# Altium PCB Monitor_Board.PcbDoc (part 4 of 5)
Units mm, origin at the board's own origin, x right, y up, seen from the top; angles counter-clockwise.
Board outline 99.59 x 64.16 mm, 4 copper layers (Top Layer, GND02, PWR03, Bottom Layer), stack 0.603 mm thick; 84 components, 146 nets, 502 pads, 244 vias.
Unrouted connection lines stored in the file: 39.
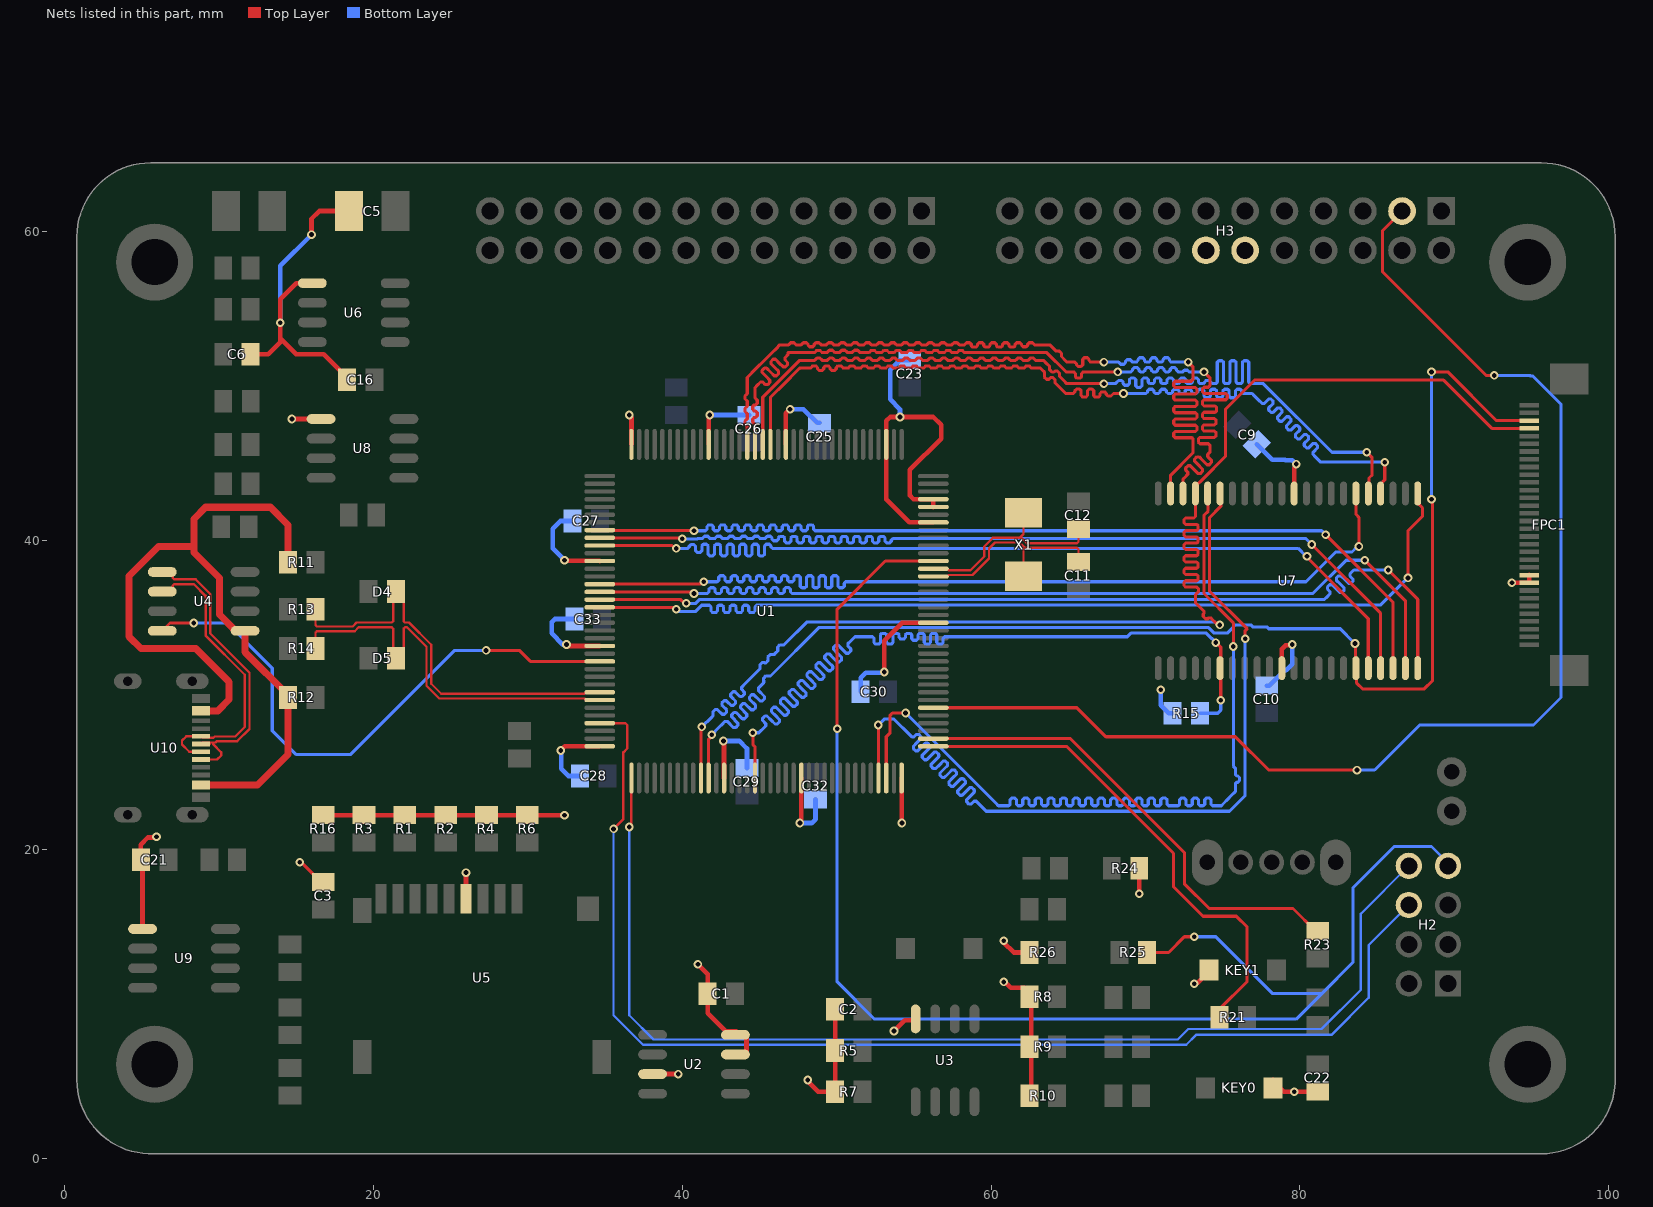
[diagram p6: the nets of this part, all layers, seen from the top]

## Via types
v1: diameter 0.559, hole 0.305, Top Layer to Bottom Layer, tented both sides, 240 vias
v2: diameter 1.143, hole 0.635, Top Layer to Bottom Layer, tented both sides, 2 vias
v3: diameter 1.143, hole 0.61, Top Layer to Bottom Layer, tented both sides, 1 vias
v4: diameter 0.559/0.559 (per signal layer), hole 0.305, Top Layer to Bottom Layer, tented both sides, 1 vias

## Nets (pads, with @x,y where several pads share a name; then routed paths per layer and width w, separated by ;. In a path a pad name is that pad's centre, name@x,y a point inside that pad or via, vN(x,y) a via of type N, cw(c..) or ccw(c..) an arc to the next point about the centre after c; other vN are vias at no path point) (continued)
SRAM_A8: U1.54 U7.26 | length 63.1
  Top Layer w0.203: U1.54@45.716,46.233 45.716,48.641 45.716,48.669 45.716,49.076 45.716,49.279 45.742,49.305 46.03,49.593 46.317,49.88 46.605,50.167 46.892,50.455 47.179,50.742 47.467,51.029 47.61,51.173 47.95,51.173 48.314,51.173 48.356,51.216 48.458,51.317 48.661,51.317 48.763,51.216 48.763,51.173 48.763,51.13 48.864,51.029 49.068,51.029 49.169,51.13 49.169,51.173 49.169,51.216 49.271,51.317 49.474,51.317 49.576,51.216 49.576,51.173 49.576,51.13 49.677,51.029 49.88,51.029 49.982,51.13 49.982,51.173 49.982,51.216 50.084,51.317 50.287,51.317 50.388,51.216 50.431,51.173 50.752,51.173 50.795,51.216 50.896,51.317 51.1,51.317 51.201,51.216 51.244,51.173 51.565,51.173 51.608,51.216 51.709,51.317 51.912,51.317 52.014,51.216 52.057,51.173 52.378,51.173 52.42,51.216 52.522,51.317 52.725,51.317 52.827,51.216 52.87,51.173 53.19,51.173 53.233,51.216 53.335,51.317 53.538,51.317 53.64,51.216 53.682,51.173 54.003,51.173 54.046,51.216 54.148,51.317 54.351,51.317 54.452,51.216 54.495,51.173 54.816,51.173 54.859,51.216 54.96,51.317 55.164,51.317 55.265,51.216 55.308,51.173 55.629,51.173 55.672,51.216 55.773,51.317 55.976,51.317 56.078,51.216 56.121,51.173 56.442,51.173 56.484,51.216 56.586,51.317 56.789,51.317 56.891,51.216 56.934,51.173 57.254,51.173 57.297,51.216 57.399,51.317 57.602,51.317 57.704,51.216 57.746,51.173 58.067,51.173 58.11,51.216 58.212,51.317 58.415,51.317 58.516,51.216 58.559,51.173 58.88,51.173 58.923,51.216 59.024,51.317 59.228,51.317 59.329,51.216 59.372,51.173 59.693,51.173 59.736,51.216 59.837,51.317 60.04,51.317 60.142,51.216 60.185,51.173 60.506,51.173 60.548,51.216 60.65,51.317 60.853,51.317 60.955,51.216 60.998,51.173 61.318,51.173 61.361,51.216 61.463,51.317 61.666,51.317 61.768,51.216 61.81,51.173 62.131,51.173 62.174,51.216 62.276,51.317 62.479,51.317 62.58,51.216 62.623,51.173 62.987,51.173 63.19,51.173 63.253,51.111 63.468,50.895 63.468,50.751 63.451,50.734 63.451,50.59 63.594,50.446 63.738,50.446 63.827,50.536 63.858,50.566 64.001,50.566 64.145,50.422 64.145,50.279 64.145,50.218 64.402,49.961 64.689,49.674 64.833,49.53 65.024,49.53 65.329,49.53 65.43,49.632 65.43,49.708 65.532,49.809 65.735,49.809 65.837,49.708 65.837,49.53 65.837,49.398 65.938,49.296 66.142,49.296 66.243,49.398 66.243,49.53 66.243,49.708 66.345,49.809 66.548,49.809 66.65,49.708 66.65,49.53 66.65,49.394 66.751,49.293 66.954,49.293 67.056,49.394 67.056,49.53 67.158,49.632 67.361,49.632 67.462,49.53 67.462,49.466 67.564,49.364 67.767,49.364 67.869,49.466 67.933,49.53 68.072,49.53 v1(68.58,49.53) ; U7.26@85.228,43.053 85.228,43.671 85.489,43.932 v1(85.489,45.085)
  Bottom Layer w0.203: v1(68.58,49.53) 69.12,49.53 69.323,49.53 69.729,49.53 70.034,49.53 70.136,49.632 70.136,49.705 70.237,49.806 70.44,49.806 70.542,49.705 70.542,49.632 70.644,49.53 70.847,49.53 70.948,49.632 70.948,49.705 71.05,49.806 71.253,49.806 71.355,49.705 71.355,49.632 71.456,49.53 71.66,49.53 71.761,49.632 71.761,49.705 71.863,49.806 72.066,49.806 72.168,49.705 72.168,49.632 72.269,49.53 72.472,49.53 72.574,49.632 72.574,49.705 72.676,49.806 72.879,49.806 72.98,49.705 72.98,49.632 73.082,49.53 73.285,49.53 73.387,49.632 73.387,49.705 73.488,49.806 73.692,49.806 73.793,49.705 73.793,49.53 73.793,49.355 73.895,49.254 74.098,49.254 74.2,49.355 74.2,49.53 74.2,49.705 74.301,49.806 74.504,49.806 74.606,49.705 74.606,49.53 74.606,49.355 74.708,49.254 74.911,49.254 75.012,49.355 75.012,49.53 75.012,49.705 75.114,49.806 75.317,49.806 75.419,49.705 75.419,49.53 75.419,49.355 75.52,49.254 75.724,49.254 75.825,49.355 75.825,49.53 75.825,49.705 75.927,49.806 76.13,49.806 76.232,49.705 76.232,49.632 76.333,49.53 76.638,49.53 76.904,49.53 77.047,49.386 77.335,49.099 77.55,48.883 77.694,48.883 77.98,49.17 78.124,49.17 78.268,49.026 78.268,48.883 77.981,48.596 77.981,48.452 78.125,48.309 78.269,48.309 78.555,48.595 78.699,48.595 78.843,48.452 78.843,48.308 78.556,48.021 78.556,47.878 78.7,47.734 78.843,47.734 79.13,48.02 79.274,48.02 79.417,47.877 79.417,47.733 79.131,47.447 79.131,47.303 79.274,47.159 79.418,47.159 79.705,47.446 79.848,47.446 79.992,47.302 79.992,47.158 79.705,46.872 79.705,46.728 79.849,46.584 79.993,46.584 80.279,46.871 80.423,46.871 80.567,46.727 80.567,46.584 80.28,46.297 80.28,46.153 80.424,46.01 80.568,46.01 80.854,46.296 80.998,46.296 81.141,46.153 81.141,46.009 80.855,45.722 80.855,45.579 80.997,45.437 81.349,45.085 v1(85.489,45.085)
SRAM_A9: U1.55 U7.27 | length 63.2
  Top Layer w0.203: U1.55@45.216,46.233 45.216,49.282 46.735,50.801 46.879,50.945 47.166,51.232 47.454,51.519 47.607,51.673 47.81,51.673 48.217,51.673 48.58,51.673 48.623,51.716 48.725,51.818 48.928,51.818 49.03,51.716 49.073,51.673 49.393,51.673 49.436,51.716 49.538,51.818 49.741,51.818 49.842,51.716 49.885,51.673 50.206,51.673 50.249,51.716 50.35,51.818 50.554,51.818 50.655,51.716 50.698,51.673 51.019,51.673 51.062,51.716 51.163,51.818 51.366,51.818 51.468,51.716 51.511,51.673 51.832,51.673 51.874,51.716 51.976,51.818 52.179,51.818 52.281,51.716 52.324,51.673 52.644,51.673 52.687,51.716 52.789,51.818 52.992,51.818 53.094,51.716 53.137,51.673 53.457,51.673 53.5,51.716 53.602,51.818 53.805,51.818 53.906,51.716 53.949,51.673 54.27,51.673 54.313,51.716 54.414,51.818 54.618,51.818 54.719,51.716 54.762,51.673 55.083,51.673 55.126,51.716 55.227,51.818 55.43,51.818 55.532,51.716 55.575,51.673 55.896,51.673 55.938,51.716 56.04,51.818 56.243,51.818 56.345,51.716 56.388,51.673 56.708,51.673 56.751,51.716 56.853,51.818 57.056,51.818 57.158,51.716 57.201,51.673 57.521,51.673 57.564,51.716 57.666,51.818 57.869,51.818 57.97,51.716 58.013,51.673 58.334,51.673 58.377,51.716 58.478,51.818 58.682,51.818 58.783,51.716 58.826,51.673 59.147,51.673 59.19,51.716 59.291,51.818 59.494,51.818 59.596,51.716 59.639,51.673 59.96,51.673 60.002,51.716 60.104,51.818 60.307,51.818 60.409,51.716 60.452,51.673 60.772,51.673 60.815,51.716 60.917,51.818 61.12,51.818 61.222,51.716 61.265,51.673 61.585,51.673 61.628,51.716 61.73,51.818 61.933,51.818 62.034,51.716 62.077,51.673 62.398,51.673 62.441,51.716 62.542,51.818 62.746,51.818 62.847,51.716 62.89,51.673 63.254,51.673 63.397,51.673 63.541,51.529 63.795,51.275 63.795,51.209 63.795,51.065 63.939,50.922 64.082,50.922 64.115,50.955 64.146,50.985 64.29,50.985 64.433,50.841 64.433,50.698 64.433,50.637 64.69,50.38 64.905,50.165 65.108,50.165 65.515,50.165 65.921,50.165 66.167,50.165 v1(67.31,50.165) ; v1(84.328,45.72) 84.673,45.375 84.673,44.405 84.673,44.252 84.475,44.054 84.475,43.1 U7.27@84.428,43.053
  Bottom Layer w0.203: v1(67.31,50.165) 67.945,50.165 68.047,50.165 68.148,50.267 68.25,50.368 68.453,50.368 68.555,50.267 68.555,50.165 68.656,50.063 68.859,50.063 68.961,50.165 68.961,50.431 69.063,50.532 69.266,50.532 69.367,50.431 69.367,50.165 69.367,50.026 69.469,49.925 69.672,49.925 69.774,50.026 69.774,50.165 69.774,50.431 69.875,50.532 70.079,50.532 70.18,50.431 70.18,50.267 70.282,50.165 70.485,50.165 70.587,50.267 70.587,50.431 70.688,50.532 70.891,50.532 70.993,50.431 70.993,50.267 71.095,50.165 71.298,50.165 71.399,50.267 71.399,50.431 71.501,50.532 71.704,50.532 71.806,50.431 71.806,50.267 71.907,50.165 72.111,50.165 72.212,50.267 72.212,50.431 72.314,50.532 72.517,50.532 72.619,50.431 72.619,50.267 72.72,50.165 72.923,50.165 73.025,50.267 73.025,50.426 73.127,50.528 73.33,50.528 73.431,50.426 73.431,50.267 73.533,50.165 73.736,50.165 73.838,50.267 73.838,50.275 73.939,50.377 74.143,50.377 74.244,50.275 74.244,50.267 74.346,50.165 74.549,50.165 74.651,50.267 74.651,51.548 74.752,51.65 74.955,51.65 75.057,51.548 75.057,50.267 75.159,50.165 75.362,50.165 75.463,50.267 75.463,51.548 75.565,51.65 75.768,51.65 75.87,51.548 75.87,50.267 75.971,50.165 76.175,50.165 76.276,50.267 76.276,51.548 76.378,51.65 76.581,51.65 76.683,51.548 76.683,50.267 76.784,50.165 76.835,50.165 77.636,50.165 82.081,45.72 82.518,45.72 v1(84.328,45.72)
SRAM_A10: U1.56 U7.42 | length 62.5
  Top Layer w0.203: U1.56@44.716,46.233 44.716,47.371 44.716,47.531 44.673,47.574 44.571,47.676 44.571,47.879 44.673,47.981 44.716,47.981 44.759,47.981 44.861,48.082 44.861,48.285 44.759,48.387 44.716,48.387 44.673,48.387 44.571,48.489 44.571,48.692 44.673,48.793 44.716,48.793 44.759,48.793 44.861,48.895 44.861,49.098 44.759,49.2 44.716,49.243 44.716,49.53 44.716,49.911 44.86,50.055 45.075,50.27 45.219,50.27 45.388,50.101 45.532,50.101 45.676,50.244 45.676,50.388 45.434,50.629 45.18,50.884 45.18,51.027 45.324,51.171 45.468,51.171 45.722,50.917 45.963,50.675 46.107,50.675 46.251,50.819 46.251,50.963 46.009,51.204 45.755,51.458 45.755,51.602 45.899,51.746 46.042,51.746 46.296,51.492 46.538,51.25 46.682,51.25 46.825,51.394 46.825,51.537 46.656,51.707 46.656,51.851 46.863,52.058 46.863,52.173 47.117,52.173 47.32,52.173 47.727,52.173 48.006,52.173 48.209,52.173 48.573,52.173 48.616,52.216 48.717,52.317 48.92,52.317 49.022,52.216 49.065,52.173 49.375,52.173 49.428,52.227 49.53,52.328 49.733,52.328 49.835,52.227 49.888,52.173 50.188,52.173 50.241,52.227 50.343,52.328 50.546,52.328 50.648,52.227 50.701,52.173 51,52.173 51.054,52.227 51.156,52.328 51.359,52.328 51.46,52.227 51.514,52.173 51.943,52.173 52.103,52.173 52.146,52.216 52.248,52.317 52.451,52.317 52.553,52.216 52.595,52.173 52.916,52.173 52.959,52.216 53.061,52.317 53.264,52.317 53.365,52.216 53.408,52.173 53.729,52.173 53.772,52.216 53.873,52.317 54.077,52.317 54.178,52.216 54.221,52.173 54.542,52.173 54.585,52.216 54.686,52.317 54.889,52.317 54.991,52.216 55.034,52.173 55.355,52.173 55.397,52.216 55.499,52.317 55.702,52.317 55.804,52.216 55.847,52.173 56.167,52.173 56.21,52.216 56.312,52.317 56.515,52.317 56.617,52.216 56.659,52.173 56.98,52.173 57.023,52.216 57.125,52.317 57.328,52.317 57.429,52.216 57.472,52.173 57.793,52.173 57.836,52.216 57.937,52.317 58.141,52.317 58.242,52.216 58.285,52.173 58.293,52.173 63.604,52.173 64.85,50.927 65.054,50.927 65.358,50.927 65.46,50.825 65.46,50.622 65.562,50.521 65.765,50.521 65.866,50.622 65.866,50.825 65.968,50.927 66.273,50.927 66.294,50.927 v1(68.209,50.927) ; U7.42@72.426,43.434 72.426,43.978 72.453,44.005 72.524,44.076 72.74,44.292 72.74,44.435 72.609,44.566 72.609,44.71 72.753,44.853 72.896,44.853 73.099,44.651 73.407,44.342 73.551,44.342 73.695,44.486 73.695,44.629 73.386,44.938 73.184,45.141 73.184,45.284 73.327,45.428 73.471,45.428 73.673,45.225 73.982,44.917 74.126,44.917 74.27,45.06 74.27,45.204 74.033,45.441 74.033,45.585 74.105,45.657 74.168,45.72 74.168,45.872 74.168,46.177 74.066,46.279 73.528,46.279 73.426,46.38 73.426,46.584 73.528,46.685 74.168,46.685 74.473,46.685 74.574,46.787 74.574,46.99 74.473,47.092 74.168,47.092 73.797,47.092 73.696,47.193 73.696,47.396 73.797,47.498 74.168,47.498 74.473,47.498 74.574,47.6 74.574,47.803 74.473,47.904 74.168,47.904 73.797,47.904 73.696,48.006 73.696,48.209 73.797,48.311 74.168,48.311 74.507,48.311 74.609,48.412 74.609,48.616 74.507,48.717 74.168,48.717 73.797,48.717 73.696,48.819 73.696,49.022 73.797,49.124 74.168,49.124 75.196,49.124 75.297,49.225 75.297,49.428 75.196,49.53 74.168,49.53 73.797,49.53 73.696,49.632 73.696,49.835 73.797,49.936 74.066,49.936 74.168,50.038 74.168,50.343 74.168,50.546 v1(73.787,50.927)
  Bottom Layer w0.203: v1(68.209,50.927) 68.336,50.8 68.463,50.927 68.961,50.927 69.063,50.927 69.164,51.029 69.164,51.105 69.266,51.206 69.469,51.206 69.571,51.105 69.571,51.029 69.672,50.927 69.875,50.927 69.977,51.029 69.977,51.105 70.079,51.206 70.282,51.206 70.383,51.105 70.383,51.029 70.485,50.927 70.688,50.927 70.79,51.029 70.79,51.105 70.891,51.206 71.095,51.206 71.196,51.105 71.196,51.029 71.298,50.927 71.501,50.927 71.603,51.029 71.603,51.105 71.704,51.206 71.907,51.206 72.009,51.105 72.009,51.029 72.111,50.927 72.413,50.927 72.415,50.929 72.517,51.031 72.72,51.031 72.822,50.929 72.824,50.927 73.228,50.927 73.406,50.927 v1(73.787,50.927)
SRAM_A11: U1.57 U7.43 | length 62.6
  Top Layer w0.203: U1.57@44.216,46.233 44.216,47.244 44.216,47.404 44.173,47.447 44.071,47.549 44.071,47.752 44.173,47.854 44.216,47.897 44.216,48.217 44.173,48.26 44.071,48.362 44.071,48.565 44.173,48.666 44.216,48.709 44.216,49.03 44.173,49.073 44.071,49.174 44.071,49.378 44.173,49.479 44.216,49.522 44.216,49.886 44.216,50.292 44.216,50.566 44.36,50.71 44.647,50.997 44.934,51.284 45.222,51.572 45.509,51.859 45.797,52.147 46.084,52.434 46.323,52.673 46.526,52.673 46.89,52.673 46.933,52.716 47.034,52.818 47.237,52.818 47.339,52.716 47.382,52.673 47.702,52.673 47.745,52.716 47.847,52.818 48.05,52.818 48.152,52.716 48.152,52.673 48.152,52.661 48.253,52.56 48.457,52.56 48.558,52.661 48.558,52.673 48.558,52.716 48.66,52.818 48.863,52.818 48.965,52.716 49.008,52.673 49.328,52.673 49.371,52.716 49.473,52.818 49.676,52.818 49.777,52.716 49.82,52.673 50.141,52.673 50.184,52.716 50.285,52.818 50.489,52.818 50.59,52.716 50.633,52.673 50.954,52.673 50.997,52.716 51.098,52.818 51.301,52.818 51.403,52.716 51.446,52.673 51.766,52.673 51.809,52.716 51.911,52.818 52.114,52.818 52.216,52.716 52.259,52.673 52.579,52.673 52.622,52.716 52.724,52.818 52.927,52.818 53.029,52.716 53.072,52.673 53.392,52.673 53.435,52.716 53.537,52.818 53.74,52.818 53.841,52.716 53.884,52.673 54.205,52.673 54.248,52.716 54.349,52.818 54.553,52.818 54.654,52.716 54.697,52.673 55.018,52.673 55.061,52.716 55.162,52.818 55.365,52.818 55.467,52.716 55.51,52.673 55.83,52.673 55.873,52.716 55.975,52.818 56.178,52.818 56.28,52.716 56.323,52.673 56.643,52.673 56.686,52.716 56.788,52.818 56.991,52.818 57.093,52.716 57.136,52.673 57.456,52.673 57.499,52.716 57.601,52.818 57.804,52.818 57.905,52.716 57.948,52.673 58.269,52.673 58.312,52.716 58.413,52.818 58.617,52.818 58.718,52.716 58.718,52.673 58.718,52.63 58.82,52.529 59.023,52.529 59.125,52.63 59.125,52.673 59.125,52.716 59.226,52.818 59.429,52.818 59.531,52.716 59.531,52.673 59.531,52.63 59.633,52.529 59.836,52.529 59.937,52.63 59.937,52.673 59.937,52.716 60.039,52.818 60.242,52.818 60.344,52.716 60.344,52.673 60.344,52.63 60.445,52.529 60.649,52.529 60.75,52.63 60.75,52.673 60.75,52.716 60.852,52.818 61.055,52.818 61.157,52.716 61.157,52.673 61.157,52.63 61.258,52.529 61.461,52.529 61.563,52.63 61.563,52.673 61.563,52.716 61.665,52.818 61.868,52.818 61.969,52.716 61.969,52.673 61.969,52.661 62.071,52.56 62.274,52.56 62.376,52.661 62.376,52.673 62.376,52.716 62.477,52.818 62.681,52.818 62.782,52.716 62.825,52.673 63.189,52.673 63.595,52.673 63.811,52.673 63.955,52.529 64.212,52.272 64.273,52.272 64.416,52.272 64.56,52.129 64.56,51.985 64.56,51.924 64.817,51.667 64.922,51.562 65.125,51.562 65.43,51.562 65.532,51.46 65.532,51.384 65.633,51.283 65.837,51.283 65.938,51.384 65.938,51.562 65.938,51.74 66.04,51.841 66.243,51.841 66.345,51.74 66.345,51.664 66.446,51.562 66.751,51.562 66.77,51.562 v1(67.31,51.562) ; U7.43@71.61,43.434 71.61,44.213 73.071,45.674 73.071,46.609 73.02,46.66 71.929,46.66 71.827,46.761 71.827,46.965 71.929,47.066 73.071,47.066 73.239,47.066 73.34,47.168 73.34,47.371 73.239,47.473 73.071,47.473 71.929,47.473 71.827,47.574 71.827,47.777 71.929,47.879 73.071,47.879 73.239,47.879 73.34,47.981 73.34,48.184 73.239,48.285 73.071,48.285 71.929,48.285 71.827,48.387 71.827,48.59 71.929,48.692 73.071,48.692 73.239,48.692 73.34,48.793 73.34,48.997 73.239,49.098 73.071,49.098 71.929,49.098 71.827,49.2 71.827,49.403 71.929,49.505 73.071,49.505 73.239,49.505 73.34,49.606 73.34,49.809 73.239,49.911 73.071,49.911 71.929,49.911 71.827,50.013 71.827,50.216 71.929,50.317 72.969,50.317 73.071,50.419 73.071,50.724 73.071,50.927 73.071,51.262 v1(72.771,51.562)
  Bottom Layer w0.203: v1(67.31,51.562) 67.691,51.562 67.894,51.562 68.264,51.562 68.301,51.526 68.402,51.424 68.605,51.424 68.707,51.526 68.707,51.562 68.707,51.614 68.809,51.715 69.012,51.715 69.113,51.614 69.165,51.562 69.418,51.562 69.52,51.664 69.52,51.74 69.621,51.841 69.825,51.841 69.926,51.74 69.926,51.664 70.028,51.562 70.231,51.562 70.333,51.664 70.333,51.74 70.434,51.841 70.637,51.841 70.739,51.74 70.739,51.664 70.841,51.562 71.044,51.562 71.145,51.664 71.145,51.74 71.247,51.841 71.45,51.841 71.552,51.74 71.552,51.664 71.653,51.562 71.958,51.562 72.365,51.562 72.39,51.562 v1(72.771,51.562)
SRAM_A12: U1.87 U7.28 | length 62.1
  Top Layer w0.203: U1.87@34.666,37.183 41.151,37.183 41.306,37.338 v1(41.402,37.338) ; U7.28@83.628,43.053 83.628,41.703 83.82,41.511 v1(83.82,39.624)
  Bottom Layer w0.203: v1(41.402,37.338) 42.164,37.338 42.266,37.338 42.367,37.44 42.367,37.627 42.469,37.728 42.672,37.728 42.774,37.627 42.774,37.44 42.875,37.338 43.078,37.338 43.18,37.44 43.18,37.627 43.282,37.728 43.485,37.728 43.586,37.627 43.586,37.44 43.688,37.338 43.891,37.338 43.993,37.44 43.993,37.627 44.094,37.728 44.298,37.728 44.399,37.627 44.399,37.44 44.501,37.338 44.704,37.338 44.806,37.44 44.806,37.627 44.907,37.728 45.11,37.728 45.212,37.627 45.212,37.44 45.314,37.338 45.517,37.338 45.618,37.44 45.618,37.627 45.72,37.728 45.923,37.728 46.025,37.627 46.025,37.44 46.126,37.338 46.33,37.338 46.431,37.44 46.431,37.627 46.533,37.728 46.736,37.728 46.838,37.627 46.838,37.44 46.939,37.338 47.142,37.338 47.244,37.44 47.244,37.627 47.346,37.728 47.549,37.728 47.65,37.627 47.65,37.338 47.65,37.049 47.752,36.948 47.955,36.948 48.057,37.049 48.057,37.338 48.057,37.627 48.158,37.728 48.362,37.728 48.463,37.627 48.463,37.338 48.463,37.049 48.565,36.948 48.768,36.948 48.87,37.049 48.87,37.338 48.87,37.627 48.971,37.728 49.174,37.728 49.276,37.627 49.276,37.338 49.276,37.049 49.378,36.948 49.581,36.948 49.682,37.049 49.682,37.338 49.682,37.627 49.784,37.728 49.987,37.728 50.089,37.627 50.089,37.338 50.089,37.049 50.19,36.948 50.394,36.948 50.495,37.049 50.495,37.236 50.597,37.338 51.308,37.338 80.391,37.338 82.322,39.269 83.368,39.269 83.724,39.624 v1(83.82,39.624)
SRAM_A13: U1.88 U7.21 | length 62.3
  Top Layer w0.203: U1.88@34.666,36.683 40.564,36.683 40.671,36.576 v1(40.767,36.576) ; v1(84.201,38.735) 86.828,36.108 U7.21@86.828,31.742
  Bottom Layer w0.203: v1(40.767,36.576) 41.529,36.576 41.631,36.576 41.732,36.678 41.732,36.853 41.834,36.955 42.037,36.955 42.139,36.853 42.139,36.678 42.24,36.576 42.443,36.576 42.545,36.678 42.545,36.861 42.647,36.962 42.85,36.962 42.951,36.861 42.951,36.678 43.053,36.576 43.256,36.576 43.358,36.678 43.358,36.861 43.459,36.962 43.663,36.962 43.764,36.861 43.764,36.678 43.866,36.576 44.069,36.576 44.171,36.678 44.171,36.861 44.272,36.962 44.475,36.962 44.577,36.861 44.577,36.678 44.679,36.576 44.882,36.576 44.983,36.678 44.983,36.861 45.085,36.962 45.288,36.962 45.39,36.861 45.39,36.678 45.491,36.576 45.695,36.576 45.796,36.678 45.796,36.861 45.898,36.962 46.101,36.962 46.203,36.861 46.203,36.678 46.304,36.576 46.507,36.576 46.609,36.678 46.609,36.861 46.711,36.962 46.914,36.962 47.015,36.861 47.015,36.678 47.117,36.576 47.752,36.576 80.83,36.576 82.989,38.735 v1(84.201,38.735)
SRAM_A14: U1.89 U7.22 | length 62.2
  Top Layer w0.203: U1.89@34.666,36.183 39.921,36.183 40.163,35.941 v1(40.259,35.941) ; v1(85.725,38.1) 87.628,36.197 U7.22@87.628,31.742
  Bottom Layer w0.203: v1(40.259,35.941) 40.886,35.941 41.14,36.195 41.344,36.195 41.75,36.195 42.156,36.195 42.563,36.195 42.969,36.195 43.376,36.195 43.782,36.195 44.188,36.195 44.595,36.195 45.001,36.195 45.408,36.195 45.814,36.195 46.22,36.195 46.627,36.195 47.033,36.195 47.44,36.195 47.846,36.195 48.252,36.195 48.659,36.195 49.065,36.195 49.472,36.195 49.878,36.195 50.284,36.195 50.691,36.195 51.097,36.195 51.504,36.195 51.91,36.195 52.316,36.195 52.723,36.195 53.129,36.195 53.536,36.195 53.942,36.195 54.348,36.195 54.755,36.195 55.161,36.195 55.568,36.195 55.974,36.195 56.38,36.195 56.787,36.195 57.193,36.195 57.6,36.195 58.006,36.195 58.412,36.195 58.819,36.195 59.225,36.195 59.632,36.195 60.038,36.195 60.444,36.195 60.851,36.195 61.257,36.195 61.664,36.195 62.07,36.195 62.476,36.195 62.883,36.195 63.289,36.195 63.696,36.195 64.102,36.195 64.508,36.195 64.915,36.195 65.321,36.195 65.728,36.195 66.134,36.195 66.54,36.195 66.947,36.195 67.353,36.195 67.76,36.195 68.166,36.195 68.572,36.195 68.979,36.195 69.385,36.195 69.792,36.195 70.198,36.195 70.604,36.195 71.011,36.195 71.417,36.195 71.824,36.195 72.23,36.195 72.636,36.195 73.043,36.195 73.449,36.195 73.856,36.195 74.262,36.195 74.668,36.195 75.075,36.195 75.481,36.195 75.888,36.195 76.294,36.195 76.7,36.195 77.107,36.195 77.513,36.195 77.92,36.195 78.326,36.195 78.732,36.195 79.139,36.195 79.545,36.195 79.952,36.195 80.358,36.195 80.764,36.195 81.171,36.195 81.577,36.195 81.592,36.195 81.736,36.339 81.951,36.554 81.951,36.698 81.788,36.861 81.788,37.005 81.931,37.149 82.075,37.149 82.31,36.913 82.575,36.649 82.718,36.649 82.862,36.793 82.862,36.936 82.598,37.201 82.363,37.436 82.363,37.58 82.506,37.723 82.65,37.723 82.885,37.488 83.15,37.224 83.293,37.224 83.437,37.367 83.437,37.511 83.244,37.704 83.244,37.847 83.497,38.1 v1(85.725,38.1)
SRAM_A15: U1.90 U7.23 | length 62.2
  Top Layer w0.203: U1.90@34.666,35.683 39.405,35.683 39.528,35.56 v1(39.624,35.56) ; v1(86.995,37.587) 86.995,40.64 87.938,41.583 87.938,42.125 87.628,42.435 U7.23@87.628,43.053
  Bottom Layer w0.203: v1(39.624,35.56) 39.776,35.408 40.513,35.408 40.716,35.408 40.856,35.408 41.262,35.814 41.465,35.814 41.77,35.814 41.872,35.712 41.872,35.443 41.973,35.342 42.177,35.342 42.278,35.443 42.278,35.712 42.38,35.814 42.583,35.814 42.685,35.712 42.685,35.443 42.786,35.342 42.989,35.342 43.091,35.443 43.091,35.712 43.193,35.814 43.396,35.814 43.497,35.712 43.497,35.443 43.599,35.342 43.802,35.342 43.904,35.443 43.904,35.712 44.005,35.814 44.209,35.814 44.31,35.712 44.31,35.443 44.412,35.342 44.615,35.342 44.717,35.443 44.717,35.712 44.818,35.814 44.844,35.839 85.242,35.839 86.99,37.587 v1(86.995,37.587)
SRAM_A16: U1.80 U7.20 | length 62.3
  Top Layer w0.203: U1.80@34.666,40.683 34.681,40.668 40.739,40.668 v1(40.767,40.64) ; v1(81.661,40.386) 86.028,36.019 U7.20@86.028,31.742
  Bottom Layer w0.203: v1(40.767,40.64) 41.402,40.64 41.504,40.64 41.605,40.742 41.605,40.919 41.707,41.021 41.91,41.021 42.012,40.919 42.012,40.742 42.113,40.64 42.316,40.64 42.418,40.742 42.418,40.919 42.52,41.021 42.723,41.021 42.824,40.919 42.824,40.742 42.926,40.64 43.129,40.64 43.231,40.742 43.231,40.919 43.332,41.021 43.536,41.021 43.637,40.919 43.637,40.742 43.739,40.64 43.942,40.64 44.044,40.742 44.044,40.919 44.145,41.021 44.348,41.021 44.45,40.919 44.45,40.742 44.552,40.64 44.755,40.64 44.856,40.742 44.856,40.919 44.958,41.021 45.161,41.021 45.263,40.919 45.263,40.742 45.364,40.64 45.568,40.64 45.669,40.742 45.669,40.919 45.771,41.021 45.974,41.021 46.076,40.919 46.076,40.742 46.177,40.64 46.38,40.64 46.482,40.742 46.482,40.919 46.584,41.021 46.787,41.021 46.888,40.919 46.888,40.742 46.99,40.64 47.193,40.64 47.295,40.742 47.295,40.919 47.396,41.021 47.6,41.021 47.701,40.919 47.701,40.742 47.803,40.64 48.006,40.64 48.108,40.742 48.108,40.919 48.209,41.021 48.412,41.021 48.514,40.919 48.514,40.742 48.616,40.64 48.641,40.64 81.407,40.64 v1(81.661,40.386)
SRAM_A17: U1.81 U7.19 | length 62.5
  Top Layer w0.203: U1.81@34.666,40.183 34.681,40.168 39.969,40.168 v1(40.005,40.132) ; v1(80.772,39.751) 85.228,35.295 U7.19@85.228,31.742
  Bottom Layer w0.203: v1(40.005,40.132) 40.03,40.107 40.988,40.107 41.013,40.132 41.148,40.132 41.3,40.132 41.351,40.183 41.453,40.284 41.656,40.284 41.758,40.183 41.808,40.132 42.113,40.132 42.164,40.183 42.266,40.284 42.469,40.284 42.57,40.183 42.621,40.132 42.926,40.132 42.977,40.183 43.078,40.284 43.282,40.284 43.383,40.183 43.434,40.132 43.739,40.132 43.79,40.183 43.891,40.284 44.094,40.284 44.196,40.183 44.247,40.132 44.552,40.132 44.602,40.183 44.704,40.284 44.907,40.284 45.009,40.183 45.06,40.132 45.364,40.132 45.415,40.183 45.517,40.284 45.72,40.284 45.822,40.183 45.822,40.132 45.822,40.094 45.923,39.993 46.126,39.993 46.228,40.094 46.228,40.132 46.228,40.179 46.33,40.28 46.533,40.28 46.634,40.179 46.634,40.132 46.634,39.958 46.736,39.857 46.939,39.857 47.041,39.958 47.041,40.132 47.041,40.179 47.142,40.28 47.346,40.28 47.447,40.179 47.447,40.132 47.447,39.958 47.549,39.857 47.752,39.857 47.854,39.958 47.854,40.132 47.854,40.179 47.955,40.28 48.158,40.28 48.26,40.179 48.26,40.132 48.26,39.958 48.362,39.857 48.565,39.857 48.666,39.958 48.666,40.132 48.666,40.179 48.768,40.28 48.971,40.28 49.073,40.179 49.073,40.132 49.073,39.958 49.174,39.857 49.378,39.857 49.479,39.958 49.479,40.132 49.479,40.179 49.581,40.28 49.784,40.28 49.886,40.179 49.886,40.132 49.886,39.958 49.987,39.857 50.19,39.857 50.292,39.958 50.292,40.132 50.292,40.179 50.394,40.28 50.597,40.28 50.698,40.179 50.698,40.132 50.698,39.958 50.8,39.857 51.003,39.857 51.105,39.958 51.105,40.132 51.105,40.179 51.206,40.28 51.41,40.28 51.511,40.179 51.511,40.132 51.511,39.958 51.613,39.857 51.816,39.857 51.918,39.958 51.918,40.132 51.918,40.179 52.019,40.28 52.222,40.28 52.324,40.179 52.324,40.132 52.324,39.958 52.426,39.857 52.629,39.857 52.73,39.958 52.73,40.132 52.73,40.179 52.832,40.28 53.035,40.28 53.137,40.179 53.137,40.132 53.137,39.958 53.238,39.857 53.442,39.857 53.543,39.958 53.543,40.03 53.645,40.132 53.975,40.132 80.391,40.132 v1(80.772,39.751)
SRAM_A18: U1.82 U7.18 | length 62.4
  Top Layer w0.203: U1.82@34.666,39.683 39.342,39.683 39.528,39.497 v1(39.624,39.497) ; v1@80.391,38.989 v1(80.454,38.989) 80.454,38.925 84.428,34.952 U7.18@84.428,31.742
  Bottom Layer w0.203: v1(39.624,39.497) 40.259,39.497 40.361,39.497 40.462,39.599 40.462,39.638 40.564,39.74 40.767,39.74 40.869,39.638 40.869,39.497 40.869,39.341 40.97,39.24 41.173,39.24 41.275,39.341 41.275,39.497 41.275,39.663 41.377,39.765 41.58,39.765 41.681,39.663 41.681,39.497 41.681,39.116 41.783,39.014 41.986,39.014 42.088,39.116 42.088,39.497 42.088,39.663 42.189,39.765 42.393,39.765 42.494,39.663 42.494,39.497 42.494,39.116 42.596,39.014 42.799,39.014 42.901,39.116 42.901,39.497 42.901,39.663 43.002,39.765 43.205,39.765 43.307,39.663 43.307,39.497 43.307,39.116 43.409,39.014 43.612,39.014 43.713,39.116 43.713,39.497 43.713,39.663 43.815,39.765 44.018,39.765 44.12,39.663 44.12,39.497 44.12,39.116 44.221,39.014 44.425,39.014 44.526,39.116 44.526,39.497 44.526,39.663 44.628,39.765 44.831,39.765 44.933,39.663 44.933,39.497 44.933,39.116 45.034,39.014 45.237,39.014 45.339,39.116 45.339,39.497 45.339,39.663 45.441,39.765 45.644,39.765 45.745,39.663 45.745,39.599 45.847,39.497 45.974,39.497 79.883,39.497 80.391,38.989 v1(80.454,38.989)
SRAM_NBL0: U1.141 U7.39 | length 62.4
  Top Layer w0.203: v1(52.705,28.067) 52.71,28.062 52.71,24.638 U1.141@52.716,24.633 ; U7.39@74.876,43.434 74.876,42.226 74.143,41.493 74.143,36.728 76.581,34.29 76.454,34.163 v1(76.454,33.655)
  Bottom Layer w0.203: v1(52.705,28.067) 53.086,28.448 53.721,28.448 54.8,27.368 54.872,27.297 55.016,27.297 55.176,27.457 55.32,27.457 55.463,27.313 55.463,27.169 55.232,26.937 54.97,26.676 54.97,26.533 55.114,26.389 55.258,26.389 55.519,26.65 55.751,26.882 55.895,26.882 56.038,26.738 56.038,26.595 55.806,26.363 55.545,26.101 55.545,25.958 55.689,25.814 55.832,25.814 56.094,26.075 56.326,26.307 56.469,26.307 56.613,26.164 56.613,26.02 56.381,25.788 56.12,25.527 56.12,25.383 56.263,25.239 56.407,25.239 56.668,25.501 56.9,25.733 57.044,25.733 57.188,25.589 57.188,25.445 56.956,25.213 56.695,24.952 56.695,24.808 56.838,24.665 56.982,24.665 57.243,24.926 57.475,25.158 57.619,25.158 57.762,25.014 57.762,24.87 57.53,24.639 57.269,24.377 57.269,24.234 57.413,24.09 57.557,24.09 57.818,24.351 58.05,24.583 58.193,24.583 58.337,24.439 58.337,24.296 58.105,24.064 57.844,23.803 57.844,23.659 57.988,23.515 58.131,23.515 58.393,23.776 58.625,24.008 58.768,24.008 58.912,23.865 58.912,23.721 58.68,23.489 58.419,23.228 58.419,23.084 58.562,22.94 58.706,22.94 58.895,23.13 59.039,23.13 59.245,22.924 59.69,22.479 75.438,22.479 76.454,23.495 v1(76.454,33.655)
SRAM_NBL1: U1.142 U7.40 | length 62.4
  Top Layer w0.203: U1.142@53.216,24.633 53.216,27.308 53.467,27.559 53.467,28.702 53.609,28.844 v1(54.468,28.844) ; U7.40@74.059,43.434 74.059,41.913 73.787,41.641 73.787,36.581 75.692,34.676 v1(75.692,33.147)
  Bottom Layer w0.203: v1(54.468,28.844) 60.325,22.987 60.334,22.978 60.477,22.835 60.833,22.835 61.138,22.835 61.239,22.936 61.239,23.227 61.341,23.329 61.544,23.329 61.646,23.227 61.646,22.936 61.747,22.835 61.951,22.835 62.052,22.936 62.052,23.227 62.154,23.329 62.357,23.329 62.459,23.227 62.459,22.936 62.56,22.835 62.763,22.835 62.865,22.936 62.865,23.227 62.967,23.329 63.17,23.329 63.271,23.227 63.271,22.936 63.373,22.835 63.576,22.835 63.678,22.936 63.678,23.227 63.779,23.329 63.983,23.329 64.084,23.227 64.084,22.936 64.186,22.835 64.389,22.835 64.491,22.936 64.491,23.227 64.592,23.329 64.795,23.329 64.897,23.227 64.897,22.936 64.999,22.835 65.202,22.835 65.303,22.936 65.303,23.227 65.405,23.329 65.608,23.329 65.71,23.227 65.71,22.936 65.811,22.835 66.015,22.835 66.116,22.936 66.116,23.227 66.218,23.329 66.421,23.329 66.523,23.227 66.523,22.936 66.624,22.835 66.827,22.835 66.929,22.936 66.929,23.227 67.031,23.329 67.234,23.329 67.335,23.227 67.335,22.936 67.437,22.835 67.64,22.835 67.742,22.936 67.742,23.227 67.843,23.329 68.047,23.329 68.148,23.227 68.148,22.936 68.25,22.835 68.453,22.835 68.555,22.936 68.555,23.227 68.656,23.329 68.859,23.329 68.961,23.227 68.961,22.936 69.063,22.835 69.266,22.835 69.367,22.936 69.367,23.227 69.469,23.329 69.672,23.329 69.774,23.227 69.774,22.936 69.875,22.835 70.079,22.835 70.18,22.936 70.18,23.227 70.282,23.329 70.485,23.329 70.587,23.227 70.587,22.936 70.688,22.835 70.891,22.835 70.993,22.936 70.993,23.227 71.095,23.329 71.298,23.329 71.399,23.227 71.399,22.936 71.501,22.835 71.806,22.835 72.009,22.835 72.111,22.835 72.212,22.936 72.212,23.227 72.314,23.329 72.517,23.329 72.619,23.227 72.619,22.936 72.72,22.835 72.923,22.835 73.025,22.936 73.025,23.227 73.127,23.329 73.33,23.329 73.431,23.227 73.431,22.936 73.533,22.835 73.736,22.835 73.838,22.936 73.838,23.227 73.939,23.329 74.143,23.329 74.244,23.227 74.244,22.936 74.346,22.835 74.651,22.835 74.905,22.835 75.048,22.978 75.336,23.266 75.565,23.495 75.819,23.749 75.819,23.952 75.819,24.257 75.921,24.359 75.984,24.359 76.086,24.46 76.086,24.663 75.984,24.765 75.921,24.765 75.819,24.867 75.819,25.273 75.692,25.4 v1(75.692,33.147)
SRAM_NE3: R15.1 U1.125 U7.6 | length 63.1
  Top Layer w0.203: v1(44.577,27.559) 44.577,26.797 44.716,26.658 U1.125@44.716,24.633 ; v1(74.549,33.401) 74.58,33.401 74.876,33.105 v1(74.876,29.664)
  Bottom Layer w0.203: v1(44.577,27.559) 44.97,27.559 45.345,27.934 45.417,28.006 45.417,28.15 45.211,28.355 45.211,28.499 45.355,28.643 45.498,28.643 45.776,28.365 46.016,28.125 46.16,28.125 46.304,28.269 46.304,28.412 46.063,28.652 45.786,28.93 45.786,29.074 45.93,29.217 46.073,29.217 46.351,28.94 46.591,28.7 46.735,28.7 46.878,28.843 46.878,28.987 46.638,29.227 46.361,29.505 46.361,29.648 46.504,29.792 46.648,29.792 46.925,29.515 47.166,29.274 47.309,29.274 47.453,29.418 47.453,29.562 47.213,29.802 46.935,30.079 46.935,30.223 47.079,30.367 47.223,30.367 47.5,30.089 47.74,29.849 47.884,29.849 48.028,29.993 48.028,30.136 47.788,30.377 47.51,30.654 47.51,30.798 47.654,30.942 47.797,30.942 48.075,30.664 48.315,30.424 48.459,30.424 48.603,30.567 48.603,30.711 48.362,30.951 48.085,31.229 48.085,31.373 48.228,31.516 48.372,31.516 48.65,31.239 48.89,30.999 49.034,30.999 49.177,31.142 49.177,31.286 48.937,31.526 48.66,31.804 48.66,31.947 48.803,32.091 48.947,32.091 49.224,31.814 49.465,31.573 49.608,31.573 49.752,31.717 49.752,31.861 49.512,32.101 49.234,32.378 49.234,32.522 49.378,32.666 49.522,32.666 49.799,32.388 50.039,32.148 50.183,32.148 50.327,32.292 50.327,32.435 50.087,32.676 49.809,32.953 49.809,33.097 49.953,33.241 50.096,33.241 50.374,32.963 50.629,32.707 50.773,32.707 50.917,32.851 50.917,32.995 50.733,33.179 50.733,33.322 50.933,33.522 51.193,33.782 51.816,33.782 52.019,33.782 52.324,33.782 52.426,33.68 52.426,33.4 52.527,33.299 52.73,33.299 52.832,33.4 52.832,33.782 52.832,33.898 52.934,34 53.137,34 53.238,33.898 53.238,33.782 53.238,33.4 53.34,33.299 53.543,33.299 53.645,33.4 53.645,33.782 53.645,33.898 53.746,34 53.95,34 54.051,33.898 54.051,33.782 54.051,33.728 54.153,33.627 54.356,33.627 54.458,33.728 54.458,33.782 54.458,33.898 54.559,34 54.762,34 54.864,33.898 54.864,33.782 54.864,33.657 54.966,33.555 55.169,33.555 55.27,33.657 55.27,33.782 55.27,33.898 55.372,34 55.575,34 55.677,33.898 55.677,33.782 55.677,33.406 55.778,33.304 55.982,33.304 56.083,33.406 56.083,33.782 56.083,33.898 56.185,34 56.388,34 56.49,33.898 56.49,33.782 56.49,33.406 56.591,33.304 56.794,33.304 56.896,33.406 56.896,33.68 56.998,33.782 57.15,33.782 65.507,33.782 ; 64.262,33.782 65.507,33.782 ; R15.1@73.533,28.829 74.676,28.829 74.876,29.029 v1(74.876,29.664) ; v1(74.549,33.401) 74.58,33.401 74.326,33.655 74.3,33.655 73.945,34.011 69.056,34.011 68.827,33.782 65.507,33.782
SRAM_NOE: FPC1.29 U1.118 U7.41 | length 90.3
  Top Layer w0.203: U1.118@41.216,24.633 41.231,24.648 41.231,27.896 v1(41.275,27.94) ; v1(74.803,34.544) 74.676,34.544 74.295,34.925 74.223,34.997 74.079,34.997 74.03,34.947 73.886,34.947 73.743,35.091 73.743,35.235 73.792,35.284 73.792,35.428 73.66,35.56 73.243,35.977 73.243,36.18 73.243,36.5 73.33,36.587 73.431,36.688 73.431,36.892 73.33,36.993 73.243,36.993 72.594,36.993 72.492,37.095 72.492,37.298 72.594,37.4 73.243,37.4 73.31,37.4 73.411,37.501 73.411,37.704 73.31,37.806 73.243,37.806 72.594,37.806 72.492,37.908 72.492,38.111 72.594,38.212 73.243,38.212 73.31,38.212 73.411,38.314 73.411,38.517 73.31,38.619 73.243,38.619 72.594,38.619 72.492,38.72 72.492,38.924 72.594,39.025 73.243,39.025 73.31,39.025 73.411,39.127 73.411,39.33 73.31,39.432 73.243,39.432 72.594,39.432 72.492,39.533 72.492,39.736 72.594,39.838 73.243,39.838 73.31,39.838 73.411,39.94 73.411,40.143 73.31,40.244 73.243,40.244 72.594,40.244 72.492,40.346 72.492,40.549 72.594,40.651 73.243,40.651 73.31,40.651 73.411,40.752 73.411,40.956 73.31,41.057 73.243,41.057 72.594,41.057 72.492,41.159 72.492,41.362 72.594,41.464 73.141,41.464 73.243,41.565 73.243,41.783 73.243,42.291 73.243,43.434 73.243,43.531 73.698,43.986 73.704,43.986 75.184,45.466 75.184,48.514 77.064,50.394 89.306,50.394 92.429,47.271 FPC1.29@94.851,47.271
  Bottom Layer w0.203: v1(41.275,27.94) 41.91,28.575 41.996,28.661 41.996,28.776 41.996,28.92 42.14,29.064 42.283,29.064 42.341,29.006 42.589,28.758 42.733,28.758 42.877,28.901 42.877,29.045 42.628,29.293 42.571,29.351 42.571,29.495 42.714,29.639 42.858,29.639 42.916,29.581 43.164,29.333 43.308,29.333 43.451,29.476 43.451,29.62 43.203,29.868 43.145,29.926 43.145,30.07 43.289,30.213 43.433,30.213 43.491,30.156 43.739,29.907 43.882,29.907 44.026,30.051 44.026,30.195 43.85,30.371 43.85,30.515 44.069,30.734 44.958,31.623 45.044,31.709 45.044,31.824 45.044,31.968 45.188,32.112 45.331,32.112 45.376,32.067 45.402,32.067 45.466,32.131 45.552,32.217 45.552,32.332 45.552,32.476 45.696,32.62 45.839,32.62 45.955,32.62 45.974,32.639 46.101,32.766 46.187,32.852 46.187,32.967 46.187,33.111 46.331,33.255 46.474,33.255 46.59,33.255 46.672,33.337 48.057,34.722 74.498,34.722 74.676,34.544 v1(74.803,34.544)
SRAM_NWE: FPC1.30 U1.119 U7.17 | length 89.2
  Top Layer w0.203: U1.119@41.716,24.633 41.716,27.142 41.91,27.336 v1(41.91,27.432) ; v1@83.566,33.274 83.597,33.243 83.597,31.773 U7.17@83.628,31.742 83.675,31.695 83.675,30.778 84.049,30.404 88.062,30.404 88.585,30.927 88.585,42.606 v1(88.519,42.672) ; v1(88.519,50.927) 89.573,50.927 92.729,47.771 FPC1.30@94.851,47.771
  Bottom Layer w0.203: v1(41.91,27.432) 42.418,27.94 42.562,28.084 42.777,28.299 42.921,28.299 43.322,27.898 43.466,27.898 43.61,28.041 43.61,28.185 43.208,28.587 43.208,28.73 43.352,28.874 43.496,28.874 43.897,28.473 44.041,28.473 44.184,28.616 44.184,28.76 43.783,29.161 43.783,29.305 43.927,29.449 44.07,29.449 44.472,29.047 44.615,29.047 44.759,29.191 44.759,29.335 44.358,29.736 44.358,29.88 44.501,30.023 44.645,30.023 45.047,29.622 45.19,29.622 45.334,29.766 45.334,29.909 44.932,30.311 44.932,30.454 45.148,30.67 45.212,30.734 45.284,30.806 45.284,30.95 45.277,30.956 45.277,31.1 45.421,31.244 45.564,31.244 45.571,31.237 45.715,31.237 45.783,31.305 48.844,34.366 74.092,34.366 74.447,34.011 75.298,34.011 75.832,34.544 76.822,34.544 76.949,34.417 77.856,34.417 77.981,34.293 82.611,34.293 83.502,33.401 83.502,33.337 v1(83.566,33.337) ; v1(88.519,42.672) v1(88.519,50.927)
SWD_RST: H2.7 R25.2 U1.25 | length 93.9
  Top Layer w0.203: v1(50.038,27.813) 50.038,35.56 53.161,38.683 U1.25@56.266,38.683 ; R25.2@69.724,13.335 R25.2@70.098,13.335 71.501,13.335 72.517,14.351 v4(73.152,14.351)
  Bottom Layer w0.203: v1(50.038,27.813) 50.038,11.43 52.451,9.017 79.756,9.017 81.407,10.668 ; v4(73.152,14.351) 74.549,14.351 78.232,10.668 81.407,10.668 ; H2.7@89.589,18.946 89.589,19.123 88.519,20.193 86.106,20.193 83.439,17.526 83.439,12.7 81.407,10.668
SWD_TCK: H2.8 U1.109 | length 74.1
  Top Layer w0.152: v1(36.576,21.463) 36.716,21.603 U1.109@36.716,24.633
  Bottom Layer w0.152: v1(36.576,21.463) 36.576,9.271 38.151,7.696 72.085,7.696 72.771,8.382 81.407,8.382 83.947,10.922 83.947,15.844 H2.8@87.049,18.946
SWD_TMS: H2.6 U1.105 | length 79
  Top Layer w0.152: U1.105@34.666,28.183 36.333,28.183 36.449,28.067 36.449,26.543 36.195,26.289 36.195,21.971 v1(35.56,21.336)
  Bottom Layer w0.152: v1(35.56,21.336) 35.56,9.271 37.465,7.366 60.198,7.366 61.468,7.366 72.644,7.366 73.279,8.001 82.042,8.001 84.455,10.414 84.455,13.812 H2.6@87.049,16.406
SWITCH_0: R21.2 U1.1 | length 32.6
  Top Layer w0.203: U1.1@56.266,26.683 64.884,26.683 71.819,19.748 71.819,17.59 73.724,15.684 75.882,15.684 76.581,14.986 76.581,11.46 74.801,9.68 R21.2@74.801,9.525
SWITCH_1: R23.2 U1.2 | length 31.3
  Top Layer w0.203: U1.2@56.266,27.183 65.146,27.183 72.517,19.812 72.517,17.78 74.118,16.179 79.552,16.179 80.998,14.733 R23.2@81.153,14.733 R23.2@81.17,14.716
UART_+5: R11.2 R12.2 U4.5 U10.A4-B9 U10.B4-A9 | length 53.7
  Top Layer w0.457: U10.B4-A9@8.849,24.18 12.496,24.18 14.476,26.16 R12.2@14.476,29.845 14.476,30 11.699,32.777 U4.5@11.699,34.163 11.082,34.163 10.033,35.212 10.033,37.592 8.382,39.243 8.382,39.624 ; U10.A4-B9@8.849,28.98 9.93,28.98 10.668,29.718 10.668,30.861 8.509,33.02 4.953,33.02 4.191,33.782 4.191,37.719 6.096,39.624 8.382,39.624 ; R11.2@14.476,38.608 14.476,41.023 13.335,42.164 9.144,42.164 8.382,41.402 8.382,39.624
UART_N: D5.K R14.2 U1.102 | length 26.5
  Top Layer w0.152: R14.2@16.257,33.02 16.258,33.021 16.258,34.048 16.347,34.137 18.796,34.137 19.05,34.391 21.194,34.391 21.284,34.302 21.284,32.565 D5.K@21.464,32.385 21.967,32.888 21.967,34.303 22.056,34.392 22.182,34.392 23.444,33.13 23.444,30.608 24.271,29.781 33.674,29.781 33.771,29.683 U1.102@34.666,29.683
UART_P: D4.K R13.2 U1.101 | length 26.5
  Top Layer w0.152: R13.2@16.258,35.56 16.258,34.531 16.347,34.442 18.67,34.442 18.924,34.696 21.194,34.696 21.284,34.785 21.284,36.524 D4.K@21.463,36.703 21.967,36.199 21.967,34.786 22.056,34.697 22.309,34.697 23.749,33.256 23.749,30.734 24.398,30.085 33.674,30.085 33.771,30.183 U1.101@34.666,30.183
UART_RESET: U1.97 U4.4 | length 37.5
  Top Layer w0.203: U4.4@6.335,34.163 6.843,34.671 v1(8.382,34.671) ; v1(27.305,32.893) 29.464,32.893 30.174,32.183 U1.97@34.666,32.183
  Bottom Layer w0.203: v1(8.382,34.671) 10.541,34.671 13.462,31.75 13.462,27.686 14.986,26.162 18.542,26.162 25.273,32.893 v1(27.305,32.893)
USB_UART_N: U4.1 U10.A6 U10.B6 | length 20.1
  Top Layer w0.152: U4.1@6.335,37.973 6.802,37.973 7.023,37.752 7.023,37.58 7.112,37.49 8.508,37.49 9.449,36.55 9.449,33.985 11.989,31.445 11.989,27.814 11.194,27.018 9.87,27.018 9.779,26.928 9.438,26.928 9.414,26.904 8.923,26.904 U10.A6@8.849,26.83 U10.A6@9.414,26.83 ; U10.B6@8.849,25.83 9.891,25.83 10.16,26.098 10.16,26.289 9.619,26.83
USB_UART_P: U4.2 U10.A7 U10.B7 | length 19.2
  Top Layer w0.152: U4.2@6.335,36.703 6.802,36.703 7.023,36.924 7.023,37.096 7.112,37.186 8.382,37.186 9.144,36.424 9.144,33.859 11.684,31.319 11.684,27.94 11.067,27.323 9.744,27.323 9.653,27.232 9.438,27.232 9.414,27.256 8.923,27.256 U10.B7@8.849,27.33 7.899,27.33 7.62,27.051 7.62,26.797 8.087,26.33 U10.A7@8.849,26.33
VBAT: H3.23 U1.6 | length 82.8
  Top Layer w0.203: U1.6@56.266,29.183 65.559,29.183 67.437,27.305 75.819,27.305 77.978,25.146 v1(83.693,25.146) ; H3.23@86.614,61.341 85.344,60.071 85.344,57.404 92.05,50.698 v1(92.583,50.698)
  Bottom Layer w0.203: v1(83.693,25.146) 84.836,25.146 87.757,28.067 95.123,28.067 96.901,29.845 96.901,48.83 95.058,50.673 94.914,50.673 94.889,50.698 v1(92.583,50.698)
VCC3V3: C1.1 C2.2 C3.2 C5.1 C6.2 C9.2 C10.2 C16.2 C21.2 C22.2 C23.1 C25.1 C26.1 C27.1 C28.2 C29.2 C30.2 C32.1 C33.2 FPC1.9 FPC1.10 H3.6 H3.7 KEY0.1 KEY1.1 R1.2 R2.2 R3.2 R4.2 R5.2 R6.2 R7.2 R8.1 R9.1 R10.1 R15.2 R16.2 R24.2 R26.1 U1.17 U1.30 U1.32 U1.33 U1.39 U1.52 U1.62 U1.72 U1.84 U1.95 U1.108 U1.121 U1.131 U1.144 U2.3 U2.7 U2.8 U3.8 U5.4 U6.5 U7.11 U7.33 U8.5 U9.5 | length 176.7
  Top Layer w0.203: v1(15.24,19.177) 15.339,19.177 16.609,17.907 C3.2@16.764,17.907
  Top Layer w0.305: U9.5@5.065,14.859 5.065,19.218 C21.2@4.951,19.332 4.951,20.318 5.412,20.779 5.92,20.779 v1(5.969,20.828) ; C6.2@12.065,52.07 13.208,52.07 13.97,52.832 13.97,53.1 ; v1(14.732,47.879) U8.5@16.622,47.879 U8.5@16.495,47.752 ; v1(16.002,59.817) 16.002,60.833 16.51,61.341 C5.1@18.439,61.341 ; U6.5@16.055,56.67 15.014,56.67 13.97,55.626 v1(13.97,54.102) 13.97,53.1 ; R16.2@16.764,22.227 R3.2@19.406,22.227 R1.2@22.047,22.227 R2.2@24.689,22.227 R4.2@27.33,22.227 R6.2@29.972,22.227 v1(32.383,22.227) v1@32.385,22.225 ; C16.2@18.288,50.264 C16.2@18.288,50.419 18.288,50.574 16.792,52.07 15,52.07 13.97,53.1 ; U5.4@26.001,16.809 v1(26.001,18.508) v1@26.035,18.542 ; v1(32.131,26.416) 32.398,26.683 U1.108@34.666,26.683 ; v1(32.385,38.735) 32.425,38.695 34.654,38.695 U1.84@34.666,38.683 ; v1(32.512,33.274) 32.581,33.274 32.672,33.183 U1.95@34.666,33.183 ; v1(36.576,48.133) 36.716,47.993 U1.72@36.716,46.233 ; U2.3@37.846,5.461 U2.3@38.085,5.461 v1(39.751,5.461) ; v1(41.021,12.573) 41.654,11.94 C1.1@41.654,10.668 41.654,9.4 42.824,8.23 43.511,8.23 43.741,8.001 44.167,8.001 U2.7@44.167,6.731 ; U1.62@41.716,46.233 41.716,48.066 v1(41.783,48.133) ; v1(42.672,27.031) 42.672,26.885 42.716,26.841 U1.121@42.716,24.633 ; U1.52@46.716,46.233 46.716,48.24 v1(46.99,48.514) ; v1(47.625,21.717) 47.716,21.808 U1.131@47.716,24.633 ; v1(48.133,5.08) 48.133,4.984 48.799,4.318 R7.2@49.909,4.318 ; R7.2@49.909,4.163 R7.2@49.909,4.318 ; C2.2@49.909,9.652 R7.2@49.909,4.318 ; v1(53.086,31.496) 53.086,33.528 54.241,34.683 U1.17@56.266,34.683 ; v1(53.721,8.255) 54.416,8.95 U3.8@55.118,8.95 ; U1.144@54.216,24.633 54.216,21.73 v1(54.229,21.717) ; U1.30@56.266,41.183 54.702,41.183 53.216,42.669 U1.39@53.216,46.233 53.216,47.755 53.467,48.006 v1(54.102,48.006) 56.261,48.006 56.769,47.498 56.769,46.609 54.737,44.577 54.737,42.926 54.98,42.683 U1.33@56.266,42.683 U1.32@56.266,42.183 ; v1(60.833,11.43) 60.902,11.43 61.272,11.06 62.181,11.06 62.609,10.632 R10.1@62.609,4.064 ; v1(60.833,14.097) 60.833,13.97 61.468,13.335 R26.1@62.482,13.335 ; v1(69.596,17.145) R24.2@69.596,18.796 ; v1(73.152,11.303) 73.201,11.352 73.341,11.352 74.116,12.127 KEY1.1@74.116,12.192 ; KEY0.1@78.258,5.08 78.258,5.015 78.955,4.318 v1(79.629,4.318) C22.2@81.153,4.318 ; U7.11@78.828,31.742 78.828,32.981 79.072,33.225 79.453,33.225 v1(79.502,33.274) ; U7.33@79.628,43.053 v1@79.628,44.734 ; v1(93.726,37.273) 94.849,37.273 FPC1.9@94.851,37.271 FPC1.10@94.851,37.771
  Bottom Layer w0.305: v1(13.97,54.102) 13.97,57.785 v1(16.002,59.817) ; 32.13,41.274 31.623,40.767 31.623,39.497 v1(32.385,38.735) ; 32.13,41.275 C27.1@32.891,41.275 ; v1(32.131,26.416) 32.18,26.367 32.18,25.224 32.639,24.765 C28.2@33.399,24.765 ; v1(32.512,33.274) 32.282,33.274 31.554,34.002 31.554,34.729 31.75,34.925 C33.2@33.02,34.925 ; v1(41.783,48.133) 44.321,48.133 C26.1@44.323,48.135 ; v1(42.672,27.031) 43.668,27.031 43.688,27.051 44.196,26.543 C29.2@44.196,25.275 ; v1(46.99,48.514) 47.851,48.514 48.74,47.625 C25.1@48.895,47.625 ; v1(47.625,21.717) 48.387,21.717 48.641,21.971 C32.1@48.641,23.241 ; C30.2@51.561,30.226 51.561,31.114 51.894,31.447 53.037,31.447 v1(53.086,31.496) ; v1(54.102,48.006) 54.102,48.514 53.467,49.149 53.467,51.054 54.102,51.689 C23.1@54.737,51.689 ; v1(70.993,30.353) 70.993,29.337 71.501,28.829 R15.2@71.753,28.829 ; C9.2@77.205,46.239 78.207,45.237 79.035,45.237 79.061,45.212 79.502,45.212 v1@79.707,45.007 ; C10.2@77.851,30.609 78.006,30.609 79.02,31.623 79.121,31.623 79.502,32.004 v1(79.502,33.274)
  other v1: 79.756,44.958
X1_N: C11.2 U1.23 X1.2 | length 13.8
  Top Layer w0.152: U1.23@56.266,37.683 57.161,37.683 57.258,37.781 58.8,37.781 59.868,38.848 59.868,39.497 60.249,39.878 61.849,39.878 62.103,39.624 ; X1.2@62.103,37.701 62.103,39.624 ; C11.2@65.659,38.608 65.659,39.446 65.57,39.535 62.192,39.535 62.103,39.624
  Top Layer w0.203: C11.2@65.504,38.608 C11.2@65.659,38.608
X1_P: C12.2 U1.24 X1.1 | length 13.8
  Top Layer w0.152: U1.24@56.266,38.183 57.161,38.183 57.258,38.085 58.674,38.085 59.563,38.974 59.563,39.623 60.123,40.183 61.849,40.183 61.976,40.31 ; X1.1@62.103,41.801 62.103,40.437 61.976,40.31 ; C12.2@65.659,40.767 65.659,39.929 65.57,39.84 62.318,39.84 61.976,40.182 61.976,40.31
  Top Layer w0.203: X1.1@61.853,41.801 X1.1@62.103,41.801 ; C12.2@65.504,40.767 C12.2@65.659,40.767
pads on no net: SW1.3 SW1.4 SW1.5 U6.6 U6.7 U6.8 U10.A5 U10.A8 U10.B5 U10.B8

## Polygon pours and split planes (outlines as drawn)
GND on GND02 (split plane): 96.465,63.882 97.005,63.737 97.521,63.523 98.006,63.244 98.449,62.904 98.845,62.508 99.185,62.065 99.464,61.58 99.678,61.064 99.823,60.524 99.896,59.97 99.896,59.689 99.896,5.08 99.896,4.966 99.894,4.95 99.886,4.676 99.799,4.135 99.644,3.609 99.423,3.108 99.139,2.638 98.797,2.209 98.404,1.828 97.965,1.5 97.487,1.23 96.979,1.024 96.449,0.885 95.905,0.815 5.474,0.815 5.458,0.817 5.184,0.825 4.643,0.912 4.117,1.067 3.616,1.288 3.146,1.572 2.717,1.914 2.336,2.307 2.008,2.746 1.738,3.224 1.532,3.732 1.393,4.262 1.323,4.806 1.323,5.08 1.323,5.715 1.323,59.69 1.323,59.97 1.396,60.524 1.541,61.064 1.755,61.58 2.034,62.065 2.374,62.508 2.77,62.904 3.213,63.244 3.698,63.523 4.214,63.737 4.754,63.882 5.308,63.955 5.589,63.955 95.631,63.955 95.911,63.955
VCC3V3 on PWR03 (split plane): 96.366,63.383 96.841,63.256 97.296,63.067 97.723,62.821 98.114,62.521 98.462,62.173 98.762,61.782 99.008,61.355 99.197,60.9 99.324,60.425 99.388,59.936 99.388,59.689 99.388,5.08 99.388,4.984 99.387,4.966 99.379,4.724 99.303,4.247 99.166,3.784 98.971,3.342 98.721,2.929 98.421,2.551 98.074,2.215 97.687,1.926 97.266,1.688 96.819,1.507 96.351,1.384 95.872,1.323 5.492,1.323 5.474,1.324 5.232,1.332 4.755,1.408 4.292,1.545 3.85,1.74 3.437,1.99 3.059,2.29 2.723,2.637 2.434,3.024 2.196,3.445 2.015,3.892 1.892,4.359 1.831,4.839 1.831,5.08 1.831,5.715 1.831,59.69 1.831,59.936 1.895,60.425 2.022,60.9 2.211,61.355 2.457,61.782 2.757,62.173 3.105,62.521 3.496,62.821 3.923,63.067 4.378,63.256 4.853,63.383 5.342,63.447 5.589,63.447 95.631,63.447 95.877,63.447

## Other copper
Top Layer:
  text "Top Layer" at 3.556,67.818 h2.54
Bottom Layer:
  text "Bottom Layer" at 32.004,67.818 h2.54
GND02 (plane layer: these items are gaps in the copper):
  text "Gnd" at 17.018,67.945 h2.54
PWR03 (plane layer: these items are gaps in the copper):
  text "Pwr" at 24.638,67.945 h2.54